# KiCad board Breadboard_power_supply.kicad_pcb (continued)
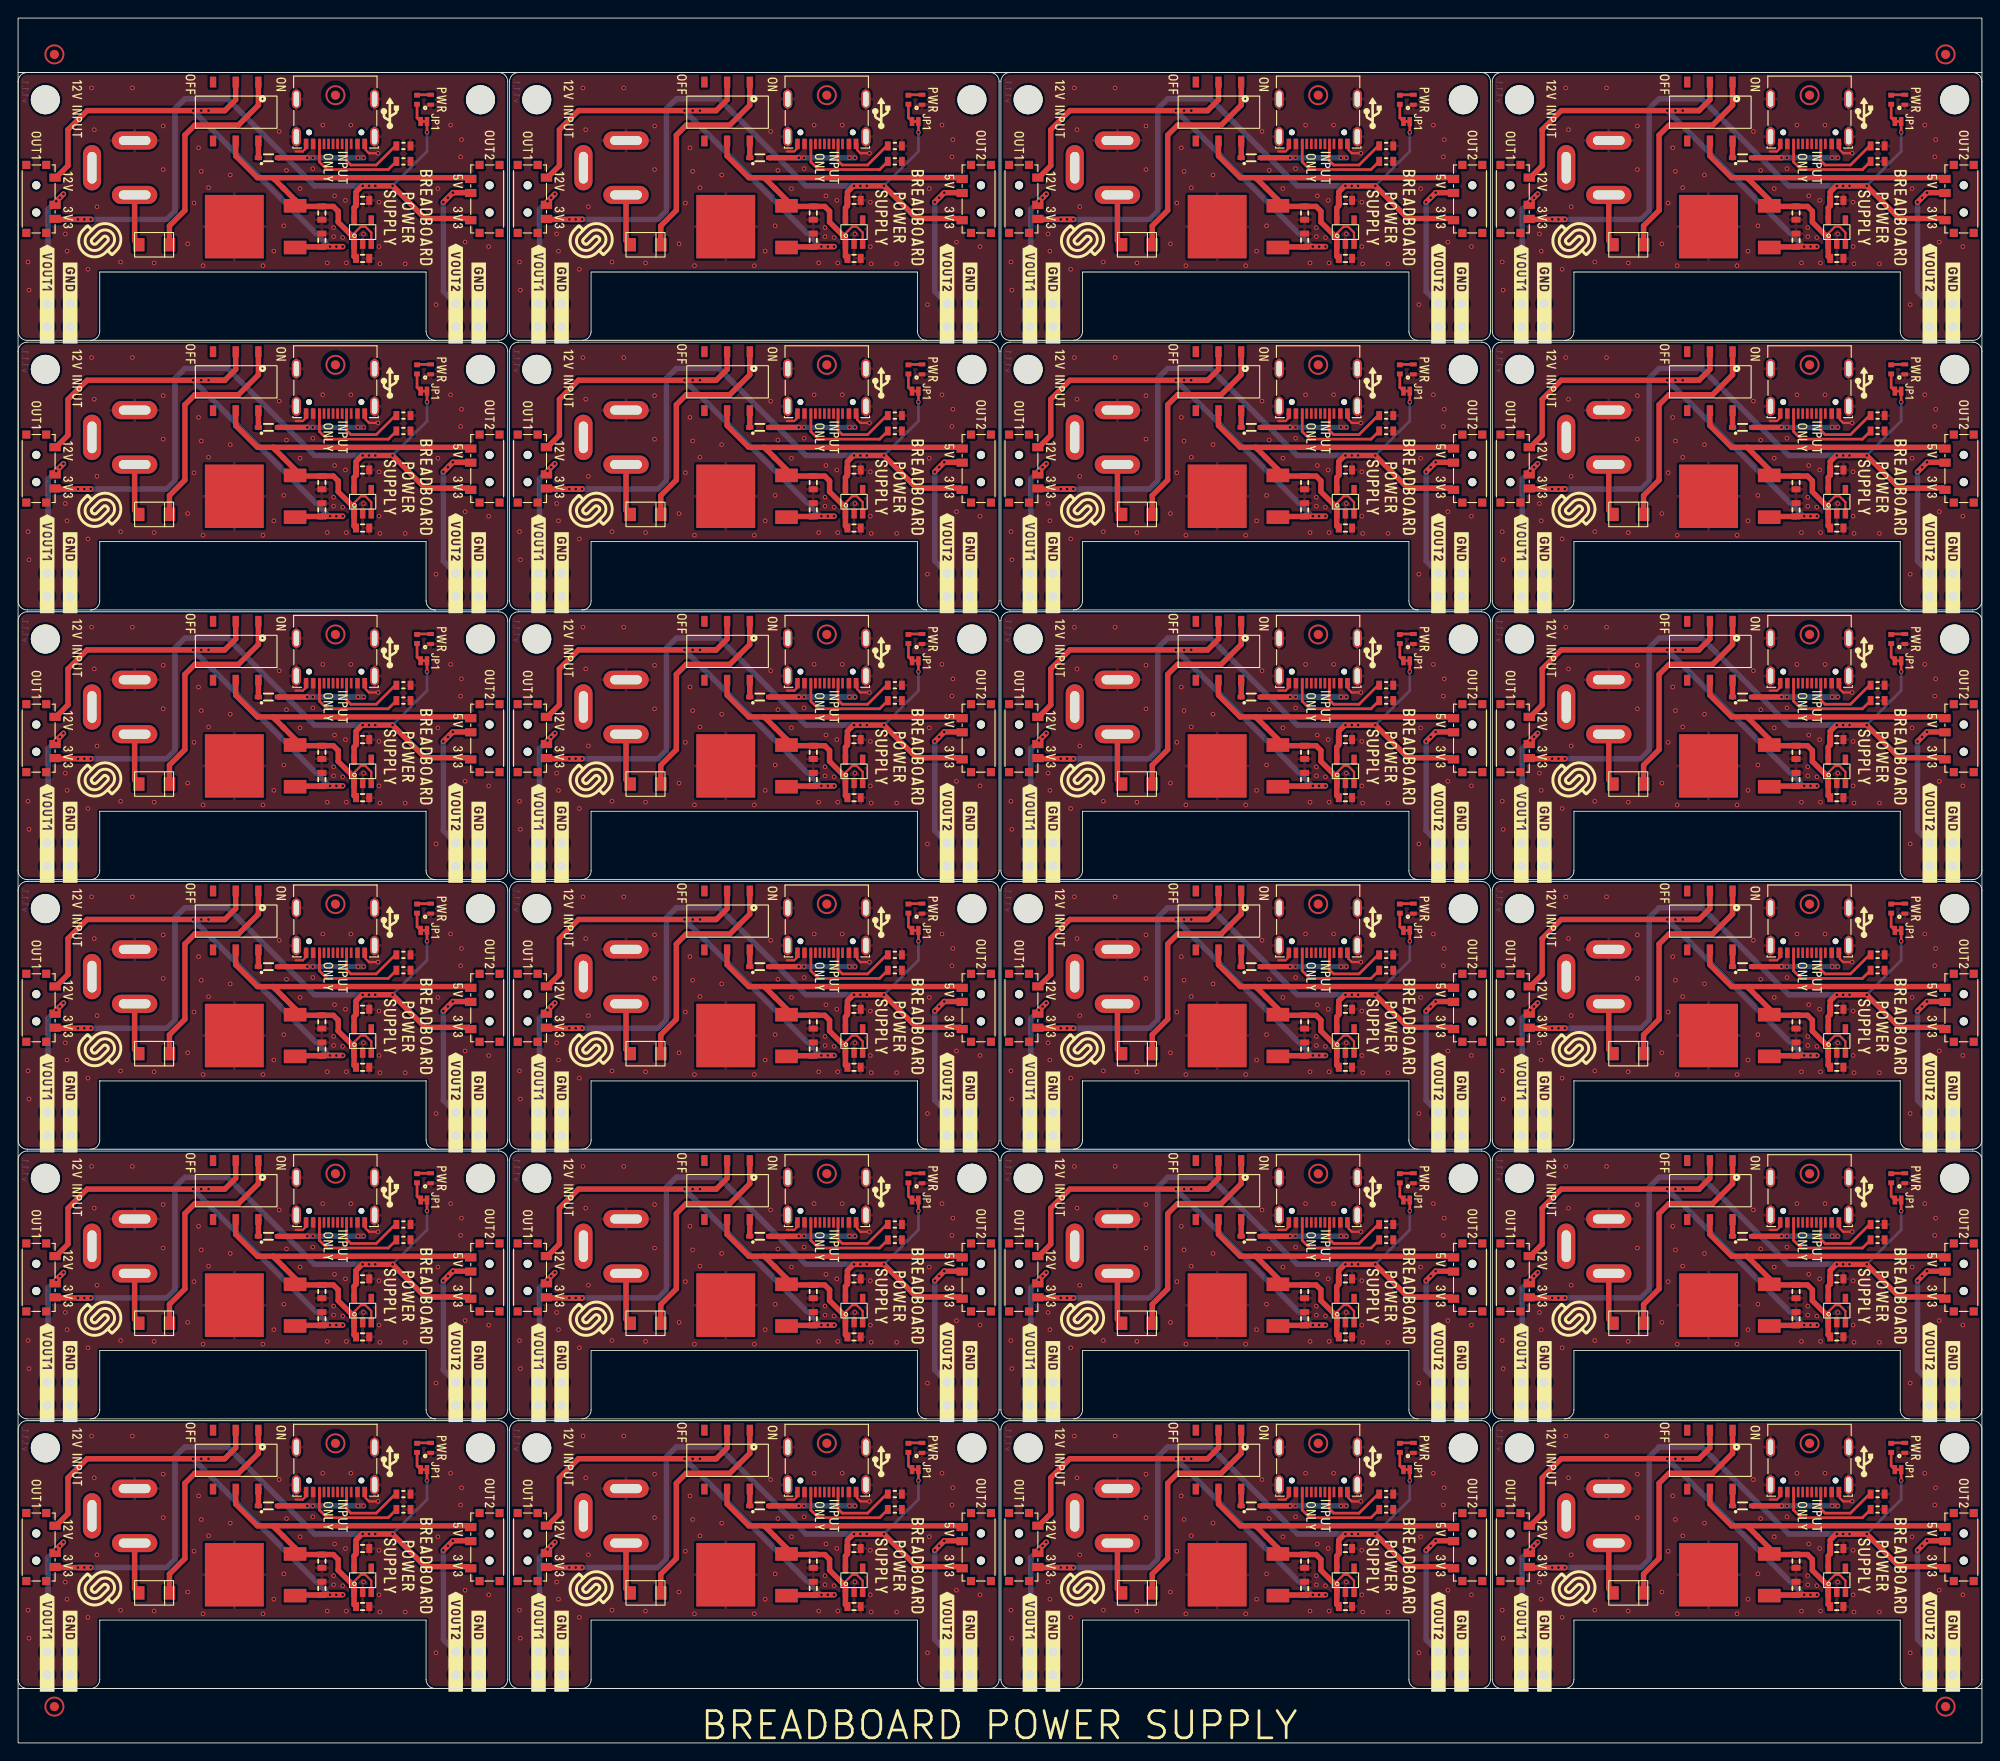
[diagram p0: board, top side]
## Placement (name value [footprint] x y rotation side) (continued)
R3#16  2k2  [0402R]  152.4 62.28 90 top
R3#17  2k2  [0402R]  206.6 32.54 90 top
R3#18  2k2  [0402R]  98.2 62.28 90 top
R3#19  2k2  [0402R]  152.4 32.54 90 top
R3#20  2k2  [0402R]  98.2 92.02 90 top
R3#21  2k2  [0402R]  44 62.28 90 top
R3#22  2k2  [0402R]  44 92.02 90 top
R3#23  2k2  [0402R]  206.6 62.28 90 top
R3#24  2k2  [0402R]  98.2 151.5 90 top
REF**  Logo-Front-SolderedFULL-20mm  [Logo-Back-SolderedFULL-20mm]  189.6 136.31 0 top
REF**#2  Logo-Front-SolderedFULL-20mm  [Logo-Back-SolderedFULL-20mm]  135.4 136.31 0 top
REF**#3  Logo-Front-SolderedFULL-20mm  [Logo-Back-SolderedFULL-20mm]  189.6 76.83 0 top
REF**#4  Logo-Front-SolderedFULL-20mm  [Logo-Back-SolderedFULL-20mm]  27 106.57 0 top
REF**#5  Logo-Front-SolderedFULL-20mm  [Logo-Back-SolderedFULL-20mm]  27 136.31 0 top
REF**#6  Logo-Front-SolderedFULL-20mm  [Logo-Back-SolderedFULL-20mm]  81.2 17.35 0 top
REF**#7  Logo-Front-SolderedFULL-20mm  [Logo-Back-SolderedFULL-20mm]  189.6 47.09 0 top
REF**#8  Logo-Front-SolderedFULL-20mm  [Logo-Back-SolderedFULL-20mm]  27 47.09 0 top
REF**#9  Logo-Front-SolderedFULL-20mm  [Logo-Back-SolderedFULL-20mm]  135.4 76.83 0 top
REF**#10  Logo-Front-SolderedFULL-20mm  [Logo-Back-SolderedFULL-20mm]  27 166.05 0 top
REF**#11  Logo-Front-SolderedFULL-20mm  [Logo-Back-SolderedFULL-20mm]  135.4 106.57 0 top
REF**#12  Logo-Front-SolderedFULL-20mm  [Logo-Back-SolderedFULL-20mm]  81.2 106.57 0 top
REF**#13  Logo-Front-SolderedFULL-20mm  [Logo-Back-SolderedFULL-20mm]  27 76.83 0 top
REF**#14  Logo-Front-SolderedFULL-20mm  [Logo-Back-SolderedFULL-20mm]  81.2 136.31 0 top
REF**#15  Logo-Front-SolderedFULL-20mm  [Logo-Back-SolderedFULL-20mm]  81.2 76.83 0 top
REF**#16  Logo-Front-SolderedFULL-20mm  [Logo-Back-SolderedFULL-20mm]  135.4 166.05 0 top
REF**#17  Logo-Front-SolderedFULL-20mm  [Logo-Back-SolderedFULL-20mm]  189.6 166.05 0 top
REF**#18  Logo-Front-SolderedFULL-20mm  [Logo-Back-SolderedFULL-20mm]  27 17.35 0 top
REF**#19  Logo-Front-SolderedFULL-20mm  [Logo-Back-SolderedFULL-20mm]  189.6 106.57 0 top
REF**#20  Logo-Front-SolderedFULL-20mm  [Logo-Back-SolderedFULL-20mm]  135.4 17.35 0 top
REF**#21  Logo-Front-SolderedFULL-20mm  [Logo-Back-SolderedFULL-20mm]  81.2 47.09 0 top
REF**#22  Logo-Front-SolderedFULL-20mm  [Logo-Back-SolderedFULL-20mm]  135.4 47.09 0 top
REF**#23  Logo-Front-SolderedFULL-20mm  [Logo-Back-SolderedFULL-20mm]  189.6 17.35 0 top
REF**#24  Logo-Front-SolderedFULL-20mm  [Logo-Back-SolderedFULL-20mm]  81.2 166.05 0 top
REF**#25  -  [Version1.1.1.]  109.2 63.28 90 bottom
REF**#26  -  [Version1.1.1.]  163.4 33.54 90 bottom
REF**#27  -  [Version1.1.1.]  55 152.5 90 bottom
REF**#28  -  [Version1.1.1.]  55 33.54 90 bottom
REF**#29  -  [Version1.1.1.]  109.2 182.24 90 bottom
REF**#30  -  [Version1.1.1.]  109.2 33.54 90 bottom
REF**#31  -  [Version1.1.1.]  163.4 93.02 90 bottom
REF**#32  -  [Version1.1.1.]  109.2 93.02 90 bottom
REF**#33  -  [Version1.1.1.]  163.4 152.5 90 bottom
REF**#34  -  [Version1.1.1.]  0.8 93.02 90 bottom
REF**#35  -  [Version1.1.1.]  109.2 152.5 90 bottom
REF**#36  -  [Version1.1.1.]  163.4 182.24 90 bottom
REF**#37  -  [Version1.1.1.]  109.2 122.76 90 bottom
REF**#38  -  [Version1.1.1.]  0.8 182.24 90 bottom
REF**#39  -  [Version1.1.1.]  55 122.76 90 bottom
REF**#40  -  [Version1.1.1.]  163.4 122.76 90 bottom
REF**#41  -  [Version1.1.1.]  55 63.28 90 bottom
REF**#42  -  [Version1.1.1.]  55 93.02 90 bottom
REF**#43  -  [Version1.1.1.]  0.8 122.76 90 bottom
REF**#44  -  [Version1.1.1.]  55 182.24 90 bottom
REF**#45  -  [Version1.1.1.]  163.4 63.28 90 bottom
REF**#46  -  [Version1.1.1.]  0.8 63.28 90 bottom
REF**#47  -  [Version1.1.1.]  0.8 33.54 90 bottom
REF**#48  -  [Version1.1.1.]  0.8 152.5 90 bottom
S1  -  [SK-3245S-L3-B]  186.6 90.72 270 top
S1#2  -  [SK-3245S-L3-B]  24 120.46 270 top
S1#3  -  [SK-3245S-L3-B]  78.2 179.94 270 top
S1#4  -  [SK-3245S-L3-B]  186.6 150.2 270 top
S1#5  -  [SK-3245S-L3-B]  24 150.2 270 top
S1#6  -  [SK-3245S-L3-B]  78.2 60.98 270 top
S1#7  -  [SK-3245S-L3-B]  132.4 120.46 270 top
S1#8  -  [SK-3245S-L3-B]  78.2 31.24 270 top
S1#9  -  [SK-3245S-L3-B]  78.2 90.72 270 top
S1#10  -  [SK-3245S-L3-B]  78.2 150.2 270 top
S1#11  -  [SK-3245S-L3-B]  24 179.94 270 top
S1#12  -  [SK-3245S-L3-B]  78.2 120.46 270 top
S1#13  -  [SK-3245S-L3-B]  186.6 179.94 270 top
S1#14  -  [SK-3245S-L3-B]  186.6 120.46 270 top
S1#15  -  [SK-3245S-L3-B]  186.6 60.98 270 top
S1#16  -  [SK-3245S-L3-B]  132.4 150.2 270 top
S1#17  -  [SK-3245S-L3-B]  186.6 31.24 270 top
S1#18  -  [SK-3245S-L3-B]  24 90.72 270 top
S1#19  -  [SK-3245S-L3-B]  24 31.24 270 top
S1#20  -  [SK-3245S-L3-B]  132.4 179.94 270 top
S1#21  -  [SK-3245S-L3-B]  132.4 60.98 270 top
S1#22  -  [SK-3245S-L3-B]  132.4 31.24 270 top
S1#23  -  [SK-3245S-L3-B]  24 60.98 270 top
S1#24  -  [SK-3245S-L3-B]  132.4 90.72 270 top
S2  -  [SS-3292S-L1]  2 51.34 270 top
S2#2  -  [SS-3292S-L1]  110.4 170.3 270 top
S2#3  -  [SS-3292S-L1]  110.4 51.34 270 top
S2#4  -  [SS-3292S-L1]  164.6 21.6 270 top
S2#5  -  [SS-3292S-L1]  2 21.6 270 top
S2#6  -  [SS-3292S-L1]  2 81.08 270 top
S2#7  -  [SS-3292S-L1]  164.6 140.56 270 top
S2#8  -  [SS-3292S-L1]  110.4 81.08 270 top
S2#9  -  [SS-3292S-L1]  56.2 110.82 270 top
S2#10  -  [SS-3292S-L1]  56.2 140.56 270 top
S2#11  -  [SS-3292S-L1]  110.4 110.82 270 top
S2#12  -  [SS-3292S-L1]  164.6 170.3 270 top
S2#13  -  [SS-3292S-L1]  56.2 21.6 270 top
S2#14  -  [SS-3292S-L1]  164.6 51.34 270 top
S2#15  -  [SS-3292S-L1]  56.2 170.3 270 top
S2#16  -  [SS-3292S-L1]  2 110.82 270 top
S2#17  -  [SS-3292S-L1]  56.2 51.34 270 top
S2#18  -  [SS-3292S-L1]  164.6 81.08 270 top
S2#19  -  [SS-3292S-L1]  56.2 81.08 270 top
S2#20  -  [SS-3292S-L1]  2 140.56 270 top
S2#21  -  [SS-3292S-L1]  2 170.3 270 top
S2#22  -  [SS-3292S-L1]  110.4 21.6 270 top
S2#23  -  [SS-3292S-L1]  110.4 140.56 270 top
S2#24  -  [SS-3292S-L1]  164.6 110.82 270 top
S3  -  [SS-3292S-L1]  214.6 140.56 90 top
S3#2  -  [SS-3292S-L1]  160.4 81.08 90 top
S3#3  -  [SS-3292S-L1]  160.4 51.34 90 top
S3#4  -  [SS-3292S-L1]  106.2 170.3 90 top
S3#5  -  [SS-3292S-L1]  160.4 170.3 90 top
S3#6  -  [SS-3292S-L1]  52 21.6 90 top
S3#7  -  [SS-3292S-L1]  214.6 81.08 90 top
S3#8  -  [SS-3292S-L1]  160.4 140.56 90 top
S3#9  -  [SS-3292S-L1]  52 51.34 90 top
S3#10  -  [SS-3292S-L1]  160.4 110.82 90 top
S3#11  -  [SS-3292S-L1]  160.4 21.6 90 top
S3#12  -  [SS-3292S-L1]  214.6 110.82 90 top
S3#13  -  [SS-3292S-L1]  52 170.3 90 top
S3#14  -  [SS-3292S-L1]  214.6 51.34 90 top
S3#15  -  [SS-3292S-L1]  214.6 170.3 90 top
S3#16  -  [SS-3292S-L1]  52 110.82 90 top
S3#17  -  [SS-3292S-L1]  214.6 21.6 90 top
S3#18  -  [SS-3292S-L1]  106.2 51.34 90 top
S3#19  -  [SS-3292S-L1]  106.2 110.82 90 top
S3#20  -  [SS-3292S-L1]  52 81.08 90 top
S3#21  -  [SS-3292S-L1]  106.2 81.08 90 top
S3#22  -  [SS-3292S-L1]  106.2 140.56 90 top
S3#23  -  [SS-3292S-L1]  106.2 21.6 90 top
S3#24  -  [SS-3292S-L1]  52 140.56 90 top
U1  7805  [AS7805ADTR]  77.9 18.54 90 top
U1#2  7805  [AS7805ADTR]  77.9 167.24 90 top
U1#3  7805  [AS7805ADTR]  132.1 78.02 90 top
U1#4  7805  [AS7805ADTR]  132.1 107.76 90 top
U1#5  7805  [AS7805ADTR]  77.9 78.02 90 top
U1#6  7805  [AS7805ADTR]  23.7 137.5 90 top
U1#7  7805  [AS7805ADTR]  132.1 48.28 90 top
U1#8  7805  [AS7805ADTR]  132.1 167.24 90 top
U1#9  7805  [AS7805ADTR]  186.3 48.28 90 top
U1#10  7805  [AS7805ADTR]  186.3 18.54 90 top
U1#11  7805  [AS7805ADTR]  186.3 78.02 90 top
U1#12  7805  [AS7805ADTR]  77.9 48.28 90 top
U1#13  7805  [AS7805ADTR]  23.7 18.54 90 top
U1#14  7805  [AS7805ADTR]  132.1 18.54 90 top
U1#15  7805  [AS7805ADTR]  77.9 137.5 90 top
U1#16  7805  [AS7805ADTR]  186.3 137.5 90 top
U1#17  7805  [AS7805ADTR]  23.7 48.28 90 top
U1#18  7805  [AS7805ADTR]  23.7 167.24 90 top
U1#19  7805  [AS7805ADTR]  132.1 137.5 90 top
U1#20  7805  [AS7805ADTR]  77.9 107.76 90 top
U1#21  7805  [AS7805ADTR]  23.7 107.76 90 top
U1#22  7805  [AS7805ADTR]  186.3 107.76 90 top
U1#23  7805  [AS7805ADTR]  23.7 78.02 90 top
U1#24  7805  [AS7805ADTR]  186.3 167.24 90 top
U2  SE5218  [SOT-23-5]  146.4 136.9 90 top
U2#2  SE5218  [SOT-23-5]  92.2 166.64 90 top
U2#3  SE5218  [SOT-23-5]  146.4 77.42 90 top
U2#4  SE5218  [SOT-23-5]  146.4 166.64 90 top
U2#5  SE5218  [SOT-23-5]  146.4 107.16 90 top
U2#6  SE5218  [SOT-23-5]  92.2 47.68 90 top
U2#7  SE5218  [SOT-23-5]  200.6 77.42 90 top
U2#8  SE5218  [SOT-23-5]  38 136.9 90 top
U2#9  SE5218  [SOT-23-5]  92.2 136.9 90 top
U2#10  SE5218  [SOT-23-5]  92.2 77.42 90 top
U2#11  SE5218  [SOT-23-5]  200.6 166.64 90 top
U2#12  SE5218  [SOT-23-5]  38 166.64 90 top
U2#13  SE5218  [SOT-23-5]  38 77.42 90 top
U2#14  SE5218  [SOT-23-5]  92.2 107.16 90 top
U2#15  SE5218  [SOT-23-5]  200.6 136.9 90 top
U2#16  SE5218  [SOT-23-5]  92.2 17.94 90 top
U2#17  SE5218  [SOT-23-5]  38 17.94 90 top
U2#18  SE5218  [SOT-23-5]  38 107.16 90 top
U2#19  SE5218  [SOT-23-5]  38 47.68 90 top
U2#20  SE5218  [SOT-23-5]  146.4 17.94 90 top
U2#21  SE5218  [SOT-23-5]  200.6 107.16 90 top
U2#22  SE5218  [SOT-23-5]  146.4 47.68 90 top
U2#23  SE5218  [SOT-23-5]  200.6 17.94 90 top
U2#24  SE5218  [SOT-23-5]  200.6 47.68 90 top

## Footprints (pads in the part's own frame, mm; a bottom-side part is the same pattern mirrored in y, then rotated)
0402LED
  rect 0.45x0.75 smd: 1(-0.55,0) 2(0.55,0)
0402R
  rect 0.54x0.64 smd: 1(-0.5,0) 2(0.5,0)
0603C
  rect 0.66x1 smd: 1(-0.73,0) 2(0.73,0)
0603R
  rect 0.64x1 smd: 1(-0.775,0) 2(0.775,0)
AS7805ADTR
  rect 1.5x2.5 smd: 1(-2.3,-6.85) 2(2.3,-6.85)
  rect 7x6.5 smd: 3(0,-0.15)
DC_JACK
  oval 2x5 hole 1x3.5: 1(-3,-2.35) 2(3,-2.35)
  oval 5x2 hole 3.5x1: 3(0,2.35)
FIDUCIAL_23
  round 1 smd: 1(0,0)
HEADER_MALE_2X1
  round 1.524 hole 1: 1(-1.27,0) 2(1.27,0)
HOLE_3.2mm
  round 3.2 hole 3.2 unplated: (0,0)
M4_DIODA
  rect 1.27x1.47 smd: 1(-1.69,0) 2(1.69,0)
SK-3245S-L3-B
  rect 1.2x0.7 smd: 1(-3.25,2.5) 2(-3.25,0) 3(-3.25,-2.5) 4(3.25,2.5) 5(3.25,0) 6(3.25,-2.5)
SMD-JUMPER-CONNECTED_TRACE_SLODERMASK
  rect 0.5x1 smd: 1(-0.35,0) 2(0.35,0)
SOD-323
  rect 0.8x0.5 smd: 1(-1.1,0) 2(1.1,0)
SOT-23-5
  rect 1.1x0.6 smd: 1(-1.3,0.95) 2(-1.3,0) 3(-1.3,-0.95) 4(1.3,-0.95) 5(1.3,0.95)
SS-3292S-L1
  rect 0.9x0.9 smd: (-3.75,1.1) (-3.75,-1.1) (3.75,1.1) (3.75,-1.1)
  round 0.9 hole 0.9 unplated: (-1.5,0) (1.5,0)
  rect 0.9x1.25 smd: 1(-2.35,2.075) 2(0.65,2.075) 3(2.2,2.075)
U262-161N-4BVC11
  round 0.65 hole 0.65 unplated: (-2.862,1.2) (2.913,1.2)
  rect 0.3x1.15 smd: A1(-3.337,2.475) A4(-2.537,2.475) A5(-1.237,2.475) A6(-0.237,2.475) A7(0.263,2.475) A8(1.263,2.475) A9(2.563,2.475) A12(3.338,2.475) B1(3.138,2.475) B4(2.363,2.475) B5(1.763,2.475) B6(0.763,2.475) B7(-0.737,2.475) B8(-1.737,2.475) B9(-2.337,2.475) B12(-3.112,2.475)
  oval 1x2.1 hole 0.6x1.7: SH(-4.312,1.675) SH(-4.312,-2.475) SH(4.313,1.675) SH(4.313,-2.475)

## Nets
3V3: C4.2 C4#2.2 C4#3.2 C4#4.2 C4#5.2 C4#6.2 C4#7.2 C4#8.2 C4#9.2 C4#10.2 C4#11.2 C4#12.2 C4#13.2 C4#14.2 C4#15.2 C4#16.2 C4#17.2 C4#18.2 C4#19.2 C4#20.2 C4#21.2 C4#22.2 C4#23.2 C4#24.2 JP1.1 JP1#2.1 JP1#3.1 JP1#4.1 JP1#5.1 JP1#6.1 JP1#7.1 JP1#8.1 JP1#9.1 JP1#10.1 JP1#11.1 JP1#12.1 JP1#13.1 JP1#14.1 JP1#15.1 JP1#16.1 JP1#17.1 JP1#18.1 JP1#19.1 JP1#20.1 JP1#21.1 JP1#22.1 JP1#23.1 JP1#24.1 S2.3 S2#2.3 S2#3.3 S2#4.3 S2#5.3 S2#6.3 S2#7.3 S2#8.3 S2#9.3 S2#10.3 S2#11.3 S2#12.3 S2#13.3 S2#14.3 S2#15.3 S2#16.3 S2#17.3 S2#18.3 S2#19.3 S2#20.3 S2#21.3 S2#22.3 S2#23.3 S2#24.3 S3.1 S3#2.1 S3#3.1 S3#4.1 S3#5.1 S3#6.1 S3#7.1 S3#8.1 S3#9.1 S3#10.1 S3#11.1 S3#12.1 S3#13.1 S3#14.1 S3#15.1 S3#16.1 S3#17.1 S3#18.1 S3#19.1 S3#20.1 S3#21.1 S3#22.1 S3#23.1 S3#24.1 U2.5 U2#2.5 U2#3.5 U2#4.5 U2#5.5 U2#6.5 U2#7.5 U2#8.5 U2#9.5 U2#10.5 U2#11.5 U2#12.5 U2#13.5 U2#14.5 U2#15.5 U2#16.5 U2#17.5 U2#18.5 U2#19.5 U2#20.5 U2#21.5 U2#22.5 U2#23.5 U2#24.5
5V: C1.2 C1#2.2 C1#3.2 C1#4.2 C1#5.2 C1#6.2 C1#7.2 C1#8.2 C1#9.2 C1#10.2 C1#11.2 C1#12.2 C1#13.2 C1#14.2 C1#15.2 C1#16.2 C1#17.2 C1#18.2 C1#19.2 C1#20.2 C1#21.2 C1#22.2 C1#23.2 C1#24.2 C3.2 C3#2.2 C3#3.2 C3#4.2 C3#5.2 C3#6.2 C3#7.2 C3#8.2 C3#9.2 C3#10.2 C3#11.2 C3#12.2 C3#13.2 C3#14.2 C3#15.2 C3#16.2 C3#17.2 C3#18.2 C3#19.2 C3#20.2 C3#21.2 C3#22.2 C3#23.2 C3#24.2 S1.5 S1#2.5 S1#3.5 S1#4.5 S1#5.5 S1#6.5 S1#7.5 S1#8.5 S1#9.5 S1#10.5 S1#11.5 S1#12.5 S1#13.5 S1#14.5 S1#15.5 S1#16.5 S1#17.5 S1#18.5 S1#19.5 S1#20.5 S1#21.5 S1#22.5 S1#23.5 S1#24.5 S3.3 S3#2.3 S3#3.3 S3#4.3 S3#5.3 S3#6.3 S3#7.3 S3#8.3 S3#9.3 S3#10.3 S3#11.3 S3#12.3 S3#13.3 S3#14.3 S3#15.3 S3#16.3 S3#17.3 S3#18.3 S3#19.3 S3#20.3 S3#21.3 S3#22.3 S3#23.3 S3#24.3 U1.2 U1#2.2 U1#3.2 U1#4.2 U1#5.2 U1#6.2 U1#7.2 U1#8.2 U1#9.2 U1#10.2 U1#11.2 U1#12.2 U1#13.2 U1#14.2 U1#15.2 U1#16.2 U1#17.2 U1#18.2 U1#19.2 U1#20.2 U1#21.2 U1#22.2 U1#23.2 U1#24.2 U2.1 U2.3 U2#2.1 U2#2.3 U2#3.1 U2#3.3 U2#4.1 U2#4.3 U2#5.1 U2#5.3 U2#6.1 U2#6.3 U2#7.1 U2#7.3 U2#8.1 U2#8.3 U2#9.1 U2#9.3 U2#10.1 U2#10.3 U2#11.1 U2#11.3 U2#12.1 U2#12.3 U2#13.1 U2#13.3 U2#14.1 U2#14.3 U2#15.1 U2#15.3 U2#16.1 U2#16.3 U2#17.1 U2#17.3 U2#18.1 U2#18.3 U2#19.1 U2#19.3 U2#20.1 U2#20.3 U2#21.1 U2#21.3 U2#22.1 U2#22.3 U2#23.1 U2#23.3 U2#24.1 U2#24.3
12V: C2.2 C2#2.2 C2#3.2 C2#4.2 C2#5.2 C2#6.2 C2#7.2 C2#8.2 C2#9.2 C2#10.2 C2#11.2 C2#12.2 C2#13.2 C2#14.2 C2#15.2 C2#16.2 C2#17.2 C2#18.2 C2#19.2 C2#20.2 C2#21.2 C2#22.2 C2#23.2 C2#24.2 S1.2 S1#2.2 S1#3.2 S1#4.2 S1#5.2 S1#6.2 S1#7.2 S1#8.2 S1#9.2 S1#10.2 S1#11.2 S1#12.2 S1#13.2 S1#14.2 S1#15.2 S1#16.2 S1#17.2 S1#18.2 S1#19.2 S1#20.2 S1#21.2 S1#22.2 S1#23.2 S1#24.2 S2.1 S2#2.1 S2#3.1 S2#4.1 S2#5.1 S2#6.1 S2#7.1 S2#8.1 S2#9.1 S2#10.1 S2#11.1 S2#12.1 S2#13.1 S2#14.1 S2#15.1 S2#16.1 S2#17.1 S2#18.1 S2#19.1 S2#20.1 S2#21.1 S2#22.1 S2#23.1 S2#24.1 U1.1 U1#2.1 U1#3.1 U1#4.1 U1#5.1 U1#6.1 U1#7.1 U1#8.1 U1#9.1 U1#10.1 U1#11.1 U1#12.1 U1#13.1 U1#14.1 U1#15.1 U1#16.1 U1#17.1 U1#18.1 U1#19.1 U1#20.1 U1#21.1 U1#22.1 U1#23.1 U1#24.1
GND: C1.1 C1#2.1 C1#3.1 C1#4.1 C1#5.1 C1#6.1 C1#7.1 C1#8.1 C1#9.1 C1#10.1 C1#11.1 C1#12.1 C1#13.1 C1#14.1 C1#15.1 C1#16.1 C1#17.1 C1#18.1 C1#19.1 C1#20.1 C1#21.1 C1#22.1 C1#23.1 C1#24.1 C2.1 C2#2.1 C2#3.1 C2#4.1 C2#5.1 C2#6.1 C2#7.1 C2#8.1 C2#9.1 C2#10.1 C2#11.1 C2#12.1 C2#13.1 C2#14.1 C2#15.1 C2#16.1 C2#17.1 C2#18.1 C2#19.1 C2#20.1 C2#21.1 C2#22.1 C2#23.1 C2#24.1 C3.1 C3#2.1 C3#3.1 C3#4.1 C3#5.1 C3#6.1 C3#7.1 C3#8.1 C3#9.1 C3#10.1 C3#11.1 C3#12.1 C3#13.1 C3#14.1 C3#15.1 C3#16.1 C3#17.1 C3#18.1 C3#19.1 C3#20.1 C3#21.1 C3#22.1 C3#23.1 C3#24.1 C4.1 C4#2.1 C4#3.1 C4#4.1 C4#5.1 C4#6.1 C4#7.1 C4#8.1 C4#9.1 C4#10.1 C4#11.1 C4#12.1 C4#13.1 C4#14.1 C4#15.1 C4#16.1 C4#17.1 C4#18.1 C4#19.1 C4#20.1 C4#21.1 C4#22.1 C4#23.1 C4#24.1 D3.2 D3#2.2 D3#3.2 D3#4.2 D3#5.2 D3#6.2 D3#7.2 D3#8.2 D3#9.2 D3#10.2 D3#11.2 D3#12.2 D3#13.2 D3#14.2 D3#15.2 D3#16.2 D3#17.2 D3#18.2 D3#19.2 D3#20.2 D3#21.2 D3#22.2 D3#23.2 D3#24.2 K1.A1 K1.A12 K1.B1 K1.B12 K1.SH K1#2.A1 K1#2.A12 K1#2.B1 K1#2.B12 K1#2.SH K1#3.A1 K1#3.A12 K1#3.B1 K1#3.B12 K1#3.SH K1#4.A1 K1#4.A12 K1#4.B1 K1#4.B12 K1#4.SH K1#5.A1 K1#5.A12 K1#5.B1 K1#5.B12 K1#5.SH K1#6.A1 K1#6.A12 K1#6.B1 K1#6.B12 K1#6.SH K1#7.A1 K1#7.A12 K1#7.B1 K1#7.B12 K1#7.SH K1#8.A1 K1#8.A12 K1#8.B1 K1#8.B12 K1#8.SH K1#9.A1 K1#9.A12 K1#9.B1 K1#9.B12 K1#9.SH K1#10.A1 K1#10.A12 K1#10.B1 K1#10.B12 K1#10.SH K1#11.A1 K1#11.A12 K1#11.B1 K1#11.B12 K1#11.SH K1#12.A1 K1#12.A12 K1#12.B1 K1#12.B12 K1#12.SH K1#13.A1 K1#13.A12 K1#13.B1 K1#13.B12 K1#13.SH K1#14.A1 K1#14.A12 K1#14.B1 K1#14.B12 K1#14.SH K1#15.A1 K1#15.A12 K1#15.B1 K1#15.B12 K1#15.SH K1#16.A1 K1#16.A12 K1#16.B1 K1#16.B12 K1#16.SH K1#17.A1 K1#17.A12 K1#17.B1 K1#17.B12 K1#17.SH K1#18.A1 K1#18.A12 K1#18.B1 K1#18.B12 K1#18.SH K1#19.A1 K1#19.A12 K1#19.B1 K1#19.B12 K1#19.SH K1#20.A1 K1#20.A12 K1#20.B1 K1#20.B12 K1#20.SH K1#21.A1 K1#21.A12 K1#21.B1 K1#21.B12 K1#21.SH K1#22.A1 K1#22.A12 K1#22.B1 K1#22.B12 K1#22.SH K1#23.A1 K1#23.A12 K1#23.B1 K1#23.B12 K1#23.SH K1#24.A1 K1#24.A12 K1#24.B1 K1#24.B12 K1#24.SH K2.2 K2#2.2 K2#3.2 K2#4.2 K2#5.2 K2#6.2 K2#7.2 K2#8.2 K2#9.2 K2#10.2 K2#11.2 K2#12.2 K2#13.2 K2#14.2 K2#15.2 K2#16.2 K2#17.2 K2#18.2 K2#19.2 K2#20.2 K2#21.2 K2#22.2 K2#23.2 K2#24.2 K3.1 K3#2.1 K3#3.1 K3#4.1 K3#5.1 K3#6.1 K3#7.1 K3#8.1 K3#9.1 K3#10.1 K3#11.1 K3#12.1 K3#13.1 K3#14.1 K3#15.1 K3#16.1 K3#17.1 K3#18.1 K3#19.1 K3#20.1 K3#21.1 K3#22.1 K3#23.1 K3#24.1 K4.1 K4#2.1 K4#3.1 K4#4.1 K4#5.1 K4#6.1 K4#7.1 K4#8.1 K4#9.1 K4#10.1 K4#11.1 K4#12.1 K4#13.1 K4#14.1 K4#15.1 K4#16.1 K4#17.1 K4#18.1 K4#19.1 K4#20.1 K4#21.1 K4#22.1 K4#23.1 K4#24.1 K5.1 K5#2.1 K5#3.1 K5#4.1 K5#5.1 K5#6.1 K5#7.1 K5#8.1 K5#9.1 K5#10.1 K5#11.1 K5#12.1 K5#13.1 K5#14.1 K5#15.1 K5#16.1 K5#17.1 K5#18.1 K5#19.1 K5#20.1 K5#21.1 K5#22.1 K5#23.1 K5#24.1 K6.1 K6#2.1 K6#3.1 K6#4.1 K6#5.1 K6#6.1 K6#7.1 K6#8.1 K6#9.1 K6#10.1 K6#11.1 K6#12.1 K6#13.1 K6#14.1 K6#15.1 K6#16.1 K6#17.1 K6#18.1 K6#19.1 K6#20.1 K6#21.1 K6#22.1 K6#23.1 K6#24.1 R1.2 R1#2.2 R1#3.2 R1#4.2 R1#5.2 R1#6.2 R1#7.2 R1#8.2 R1#9.2 R1#10.2 R1#11.2 R1#12.2 R1#13.2 R1#14.2 R1#15.2 R1#16.2 R1#17.2 R1#18.2 R1#19.2 R1#20.2 R1#21.2 R1#22.2 R1#23.2 R1#24.2 R2.2 R2#2.2 R2#3.2 R2#4.2 R2#5.2 R2#6.2 R2#7.2 R2#8.2 R2#9.2 R2#10.2 R2#11.2 R2#12.2 R2#13.2 R2#14.2 R2#15.2 R2#16.2 R2#17.2 R2#18.2 R2#19.2 R2#20.2 R2#21.2 R2#22.2 R2#23.2 R2#24.2 U1.3 U1#2.3 U1#3.3 U1#4.3 U1#5.3 U1#6.3 U1#7.3 U1#8.3 U1#9.3 U1#10.3 U1#11.3 U1#12.3 U1#13.3 U1#14.3 U1#15.3 U1#16.3 U1#17.3 U1#18.3 U1#19.3 U1#20.3 U1#21.3 U1#22.3 U1#23.3 U1#24.3 U2.2 U2#2.2 U2#3.2 U2#4.2 U2#5.2 U2#6.2 U2#7.2 U2#8.2 U2#9.2 U2#10.2 U2#11.2 U2#12.2 U2#13.2 U2#14.2 U2#15.2 U2#16.2 U2#17.2 U2#18.2 U2#19.2 U2#20.2 U2#21.2 U2#22.2 U2#23.2 U2#24.2
VIN: D2.2 D2#2.2 D2#3.2 D2#4.2 D2#5.2 D2#6.2 D2#7.2 D2#8.2 D2#9.2 D2#10.2 D2#11.2 D2#12.2 D2#13.2 D2#14.2 D2#15.2 D2#16.2 D2#17.2 D2#18.2 D2#19.2 D2#20.2 D2#21.2 D2#22.2 D2#23.2 D2#24.2 S1.1 S1#2.1 S1#3.1 S1#4.1 S1#5.1 S1#6.1 S1#7.1 S1#8.1 S1#9.1 S1#10.1 S1#11.1 S1#12.1 S1#13.1 S1#14.1 S1#15.1 S1#16.1 S1#17.1 S1#18.1 S1#19.1 S1#20.1 S1#21.1 S1#22.1 S1#23.1 S1#24.1
VUSB: D1.2 D1#2.2 D1#3.2 D1#4.2 D1#5.2 D1#6.2 D1#7.2 D1#8.2 D1#9.2 D1#10.2 D1#11.2 D1#12.2 D1#13.2 D1#14.2 D1#15.2 D1#16.2 D1#17.2 D1#18.2 D1#19.2 D1#20.2 D1#21.2 D1#22.2 D1#23.2 D1#24.2 S1.4 S1#2.4 S1#3.4 S1#4.4 S1#5.4 S1#6.4 S1#7.4 S1#8.4 S1#9.4 S1#10.4 S1#11.4 S1#12.4 S1#13.4 S1#14.4 S1#15.4 S1#16.4 S1#17.4 S1#18.4 S1#19.4 S1#20.4 S1#21.4 S1#22.4 S1#23.4 S1#24.4
Net-(D1-Pad1): D1.1 D1#2.1 D1#3.1 D1#4.1 D1#5.1 D1#6.1 D1#7.1 D1#8.1 D1#9.1 D1#10.1 D1#11.1 D1#12.1 D1#13.1 D1#14.1 D1#15.1 D1#16.1 D1#17.1 D1#18.1 D1#19.1 D1#20.1 D1#21.1 D1#22.1 D1#23.1 D1#24.1 K1.A4 K1.A9 K1.B4 K1.B9 K1#2.A4 K1#2.A9 K1#2.B4 K1#2.B9 K1#3.A4 K1#3.A9 K1#3.B4 K1#3.B9 K1#4.A4 K1#4.A9 K1#4.B4 K1#4.B9 K1#5.A4 K1#5.A9 K1#5.B4 K1#5.B9 K1#6.A4 K1#6.A9 K1#6.B4 K1#6.B9 K1#7.A4 K1#7.A9 K1#7.B4 K1#7.B9 K1#8.A4 K1#8.A9 K1#8.B4 K1#8.B9 K1#9.A4 K1#9.A9 K1#9.B4 K1#9.B9 K1#10.A4 K1#10.A9 K1#10.B4 K1#10.B9 K1#11.A4 K1#11.A9 K1#11.B4 K1#11.B9 K1#12.A4 K1#12.A9 K1#12.B4 K1#12.B9 K1#13.A4 K1#13.A9 K1#13.B4 K1#13.B9 K1#14.A4 K1#14.A9 K1#14.B4 K1#14.B9 K1#15.A4 K1#15.A9 K1#15.B4 K1#15.B9 K1#16.A4 K1#16.A9 K1#16.B4 K1#16.B9 K1#17.A4 K1#17.A9 K1#17.B4 K1#17.B9 K1#18.A4 K1#18.A9 K1#18.B4 K1#18.B9 K1#19.A4 K1#19.A9 K1#19.B4 K1#19.B9 K1#20.A4 K1#20.A9 K1#20.B4 K1#20.B9 K1#21.A4 K1#21.A9 K1#21.B4 K1#21.B9 K1#22.A4 K1#22.A9 K1#22.B4 K1#22.B9 K1#23.A4 K1#23.A9 K1#23.B4 K1#23.B9 K1#24.A4 K1#24.A9 K1#24.B4 K1#24.B9
Net-(D2-Pad1): D2.1 D2#2.1 D2#3.1 D2#4.1 D2#5.1 D2#6.1 D2#7.1 D2#8.1 D2#9.1 D2#10.1 D2#11.1 D2#12.1 D2#13.1 D2#14.1 D2#15.1 D2#16.1 D2#17.1 D2#18.1 D2#19.1 D2#20.1 D2#21.1 D2#22.1 D2#23.1 D2#24.1 K2.1 K2#2.1 K2#3.1 K2#4.1 K2#5.1 K2#6.1 K2#7.1 K2#8.1 K2#9.1 K2#10.1 K2#11.1 K2#12.1 K2#13.1 K2#14.1 K2#15.1 K2#16.1 K2#17.1 K2#18.1 K2#19.1 K2#20.1 K2#21.1 K2#22.1 K2#23.1 K2#24.1
Net-(D3-Pad1): D3.1 D3#2.1 D3#3.1 D3#4.1 D3#5.1 D3#6.1 D3#7.1 D3#8.1 D3#9.1 D3#10.1 D3#11.1 D3#12.1 D3#13.1 D3#14.1 D3#15.1 D3#16.1 D3#17.1 D3#18.1 D3#19.1 D3#20.1 D3#21.1 D3#22.1 D3#23.1 D3#24.1 R3.2 R3#2.2 R3#3.2 R3#4.2 R3#5.2 R3#6.2 R3#7.2 R3#8.2 R3#9.2 R3#10.2 R3#11.2 R3#12.2 R3#13.2 R3#14.2 R3#15.2 R3#16.2 R3#17.2 R3#18.2 R3#19.2 R3#20.2 R3#21.2 R3#22.2 R3#23.2 R3#24.2
Net-(JP1-Pad2): JP1.2 JP1#2.2 JP1#3.2 JP1#4.2 JP1#5.2 JP1#6.2 JP1#7.2 JP1#8.2 JP1#9.2 JP1#10.2 JP1#11.2 JP1#12.2 JP1#13.2 JP1#14.2 JP1#15.2 JP1#16.2 JP1#17.2 JP1#18.2 JP1#19.2 JP1#20.2 JP1#21.2 JP1#22.2 JP1#23.2 JP1#24.2 R3.1 R3#2.1 R3#3.1 R3#4.1 R3#5.1 R3#6.1 R3#7.1 R3#8.1 R3#9.1 R3#10.1 R3#11.1 R3#12.1 R3#13.1 R3#14.1 R3#15.1 R3#16.1 R3#17.1 R3#18.1 R3#19.1 R3#20.1 R3#21.1 R3#22.1 R3#23.1 R3#24.1
Net-(K1-PadA5): K1.A5 K1#2.A5 K1#3.A5 K1#4.A5 K1#5.A5 K1#6.A5 K1#7.A5 K1#8.A5 K1#9.A5 K1#10.A5 K1#11.A5 K1#12.A5 K1#13.A5 K1#14.A5 K1#15.A5 K1#16.A5 K1#17.A5 K1#18.A5 K1#19.A5 K1#20.A5 K1#21.A5 K1#22.A5 K1#23.A5 K1#24.A5 R2.1 R2#2.1 R2#3.1 R2#4.1 R2#5.1 R2#6.1 R2#7.1 R2#8.1 R2#9.1 R2#10.1 R2#11.1 R2#12.1 R2#13.1 R2#14.1 R2#15.1 R2#16.1 R2#17.1 R2#18.1 R2#19.1 R2#20.1 R2#21.1 R2#22.1 R2#23.1 R2#24.1
Net-(K1-PadB5): K1.B5 K1#2.B5 K1#3.B5 K1#4.B5 K1#5.B5 K1#6.B5 K1#7.B5 K1#8.B5 K1#9.B5 K1#10.B5 K1#11.B5 K1#12.B5 K1#13.B5 K1#14.B5 K1#15.B5 K1#16.B5 K1#17.B5 K1#18.B5 K1#19.B5 K1#20.B5 K1#21.B5 K1#22.B5 K1#23.B5 K1#24.B5 R1.1 R1#2.1 R1#3.1 R1#4.1 R1#5.1 R1#6.1 R1#7.1 R1#8.1 R1#9.1 R1#10.1 R1#11.1 R1#12.1 R1#13.1 R1#14.1 R1#15.1 R1#16.1 R1#17.1 R1#18.1 R1#19.1 R1#20.1 R1#21.1 R1#22.1 R1#23.1 R1#24.1
Net-(K3-Pad2): K3.2 K3#2.2 K3#3.2 K3#4.2 K3#5.2 K3#6.2 K3#7.2 K3#8.2 K3#9.2 K3#10.2 K3#11.2 K3#12.2 K3#13.2 K3#14.2 K3#15.2 K3#16.2 K3#17.2 K3#18.2 K3#19.2 K3#20.2 K3#21.2 K3#22.2 K3#23.2 K3#24.2 K5.2 K5#2.2 K5#3.2 K5#4.2 K5#5.2 K5#6.2 K5#7.2 K5#8.2 K5#9.2 K5#10.2 K5#11.2 K5#12.2 K5#13.2 K5#14.2 K5#15.2 K5#16.2 K5#17.2 K5#18.2 K5#19.2 K5#20.2 K5#21.2 K5#22.2 K5#23.2 K5#24.2 S2.2 S2#2.2 S2#3.2 S2#4.2 S2#5.2 S2#6.2 S2#7.2 S2#8.2 S2#9.2 S2#10.2 S2#11.2 S2#12.2 S2#13.2 S2#14.2 S2#15.2 S2#16.2 S2#17.2 S2#18.2 S2#19.2 S2#20.2 S2#21.2 S2#22.2 S2#23.2 S2#24.2
Net-(K4-Pad2): K4.2 K4#2.2 K4#3.2 K4#4.2 K4#5.2 K4#6.2 K4#7.2 K4#8.2 K4#9.2 K4#10.2 K4#11.2 K4#12.2 K4#13.2 K4#14.2 K4#15.2 K4#16.2 K4#17.2 K4#18.2 K4#19.2 K4#20.2 K4#21.2 K4#22.2 K4#23.2 K4#24.2 K6.2 K6#2.2 K6#3.2 K6#4.2 K6#5.2 K6#6.2 K6#7.2 K6#8.2 K6#9.2 K6#10.2 K6#11.2 K6#12.2 K6#13.2 K6#14.2 K6#15.2 K6#16.2 K6#17.2 K6#18.2 K6#19.2 K6#20.2 K6#21.2 K6#22.2 K6#23.2 K6#24.2 S3.2 S3#2.2 S3#3.2 S3#4.2 S3#5.2 S3#6.2 S3#7.2 S3#8.2 S3#9.2 S3#10.2 S3#11.2 S3#12.2 S3#13.2 S3#14.2 S3#15.2 S3#16.2 S3#17.2 S3#18.2 S3#19.2 S3#20.2 S3#21.2 S3#22.2 S3#23.2 S3#24.2

Pads without a net: FD1 1; FD1#2 1; FD1#3 1; FD1#4 1; FD1#5 1; FD1#6 1; FD1#7 1; FD1#8 1; FD1#9 1; FD1#10 1; FD1#11 1; FD1#12 1; FD1#13 1; FD1#14 1; FD1#15 1; FD1#16 1; FD1#17 1; FD1#18 1; FD1#19 1; FD1#20 1; FD1#21 1; FD1#22 1; FD1#23 1; FD1#24 1; FD1#25 1; FD1#26 1; FD1#27 1; FD1#28 1; K1 A6 A7 A8 B6 B7 B8; K1#2 A6 A7 A8 B6 B7 B8; K1#3 A6 A7 A8 B6 B7 B8; K1#4 A6 A7 A8 B6 B7 B8; K1#5 A6 A7 A8 B6 B7 B8; K1#6 A6 A7 A8 B6 B7 B8; K1#7 A6 A7 A8 B6 B7 B8; K1#8 A6 A7 A8 B6 B7 B8; K1#9 A6 A7 A8 B6 B7 B8; K1#10 A6 A7 A8 B6 B7 B8; K1#11 A6 A7 A8 B6 B7 B8; K1#12 A6 A7 A8 B6 B7 B8; K1#13 A6 A7 A8 B6 B7 B8; K1#14 A6 A7 A8 B6 B7 B8; K1#15 A6 A7 A8 B6 B7 B8; K1#16 A6 A7 A8 B6 B7 B8; K1#17 A6 A7 A8 B6 B7 B8; K1#18 A6 A7 A8 B6 B7 B8; K1#19 A6 A7 A8 B6 B7 B8; K1#20 A6 A7 A8 B6 B7 B8; K1#21 A6 A7 A8 B6 B7 B8; K1#22 A6 A7 A8 B6 B7 B8; K1#23 A6 A7 A8 B6 B7 B8; K1#24 A6 A7 A8 B6 B7 B8; K2 3; K2#2 3; K2#3 3; K2#4 3; K2#5 3; K2#6 3; K2#7 3; K2#8 3; K2#9 3; K2#10 3; K2#11 3; K2#12 3; K2#13 3; K2#14 3; K2#15 3; K2#16 3; K2#17 3; K2#18 3; K2#19 3; K2#20 3; K2#21 3; K2#22 3; K2#23 3; K2#24 3; S1 3 6; S1#2 3 6; S1#3 3 6; S1#4 3 6; S1#5 3 6; S1#6 3 6; S1#7 3 6; S1#8 3 6; S1#9 3 6; S1#10 3 6; S1#11 3 6; S1#12 3 6; S1#13 3 6; S1#14 3 6; S1#15 3 6; S1#16 3 6; S1#17 3 6; S1#18 3 6; S1#19 3 6; S1#20 3 6; S1#21 3 6; S1#22 3 6; S1#23 3 6; S1#24 3 6; U2 4; U2#2 4; U2#3 4; U2#4 4; U2#5 4; U2#6 4; U2#7 4; U2#8 4; U2#9 4; U2#10 4; U2#11 4; U2#12 4; U2#13 4; U2#14 4; U2#15 4; U2#16 4; U2#17 4; U2#18 4; U2#19 4; U2#20 4; U2#21 4; U2#22 4; U2#23 4; U2#24 4

## Via types
v1: diameter 0.5, hole 0.3, Top to Bottom, 1752 vias

## Routing (per net, layer and track width the routed paths; a pad name or vN(x,y) marks a point on that pad's centre or on a via; arc(x,y) is an arc through that point)
3V3: length 1992.5
  Top w0.3: JP1#9.1 v1(207.7,28.94) ; JP1.1 v1(207.7,88.42) ; JP1#18.1 v1(207.7,118.16) ; JP1#20.1 v1(153.5,28.94) ; JP1#2.1 v1(99.3,147.9) ; JP1#13.1 v1(207.7,147.9) ; JP1#14.1 v1(153.5,58.68) ; JP1#16.1 v1(99.3,118.16) ; JP1#22.1 v1(45.1,28.94) ; JP1#10.1 v1(45.1,177.64) ; JP1#8.1 v1(207.7,177.64) ; JP1#17.1 v1(153.5,177.64) ; JP1#3.1 v1(45.1,58.68) ; JP1#19.1 v1(45.1,88.42) ; JP1#24.1 v1(45.1,147.9) ; JP1#4.1 v1(99.3,58.68) ; JP1#5.1 v1(99.3,28.94) ; JP1#21.1 v1(99.3,177.64) ; JP1#12.1 v1(153.5,118.16) ; JP1#11.1 v1(207.7,58.68) ; JP1#15.1 v1(99.3,88.42) ; JP1#7.1 v1(153.5,88.42) ; JP1#23.1 v1(45.1,118.16) ; JP1#6.1 v1(153.5,147.9)
  Top w0.6: 166.7,49.03 166.75,49.08 v1(170.6,49.08) v1(169.2,49.08) ; 4.1,19.29 4.15,19.34 v1(8,19.34) v1(6.6,19.34) ; 91.25,78.82 91.25,80.1 91.47,80.32 91.47,81.85 92.14,82.52 v1(93.6,82.52) v1(95.5,82.52) 99.1,78.92 103.92,78.92 104.07,78.76 104.1,78.76 ; v1(115,78.82) v1(116.4,78.82) 112.55,78.82 112.5,78.77 ; 158.31,19.28 158.28,19.28 158.12,19.44 153.3,19.44 v1(149.7,23.04) v1(147.8,23.04) 146.34,23.04 145.67,22.37 145.67,20.84 145.45,20.62 145.45,19.34 ; 4.1,108.51 4.15,108.56 v1(8,108.56) v1(6.6,108.56) ; 145.45,138.3 145.45,139.58 145.67,139.8 145.67,141.33 146.34,142 v1(147.8,142) v1(149.7,142) 153.3,138.4 158.12,138.4 158.28,138.25 158.31,138.25 ; v1(169.2,19.34) v1(170.6,19.34) 166.75,19.34 166.7,19.29 ; 49.91,138.25 49.88,138.25 49.72,138.4 44.9,138.4 v1(41.3,142) v1(39.4,142) 37.94,142 37.27,141.33 37.27,139.8 37.05,139.58 37.05,138.3 ; 112.5,49.03 112.55,49.08 v1(116.4,49.08) v1(115,49.08) ; v1(60.8,108.56) v1(62.2,108.56) 58.35,108.56 58.3,108.51 ; 212.5,49.03 212.48,49.03 212.32,49.18 207.5,49.18 v1(203.9,52.78) v1(202,52.78) 200.54,52.78 199.87,52.11 199.87,50.58 199.65,50.36 199.65,49.08 ; 199.65,168.04 199.65,169.32 199.87,169.54 199.87,171.07 200.54,171.74 v1(202,171.74) v1(203.9,171.74) 207.5,168.14 212.32,168.14 212.48,167.99 212.5,167.99 ; v1(6.6,138.3) v1(8,138.3) 4.15,138.3 4.1,138.25 ; 212.5,19.28 212.48,19.28 212.32,19.44 207.5,19.44 v1(203.9,23.04) v1(202,23.04) 200.54,23.04 199.87,22.37 199.87,20.84 199.65,20.62 199.65,19.34 ; 49.91,78.76 49.88,78.76 49.72,78.92 44.9,78.92 v1(41.3,82.52) v1(39.4,82.52) 37.94,82.52 37.27,81.85 37.27,80.32 37.05,80.1 37.05,78.82 ; 37.05,19.34 37.05,20.62 37.27,20.84 37.27,22.37 37.94,23.04 v1(39.4,23.04) v1(41.3,23.04) 44.9,19.44 49.72,19.44 49.88,19.28 49.91,19.28 ; v1(115,108.56) v1(116.4,108.56) 112.55,108.56 112.5,108.51 ; 166.7,138.25 166.75,138.3 v1(170.6,138.3) v1(169.2,138.3) ; 145.45,108.56 145.45,109.84 145.67,110.06 145.67,111.59 146.34,112.26 v1(147.8,112.26) v1(149.7,112.26) 153.3,108.66 158.12,108.66 158.28,108.5 158.31,108.5 ; 199.65,138.3 199.65,139.58 199.87,139.8 199.87,141.33 200.54,142 v1(202,142) v1(203.9,142) 207.5,138.4 212.32,138.4 212.48,138.25 212.5,138.25 ; 58.3,167.99 58.35,168.04 v1(62.2,168.04) v1(60.8,168.04) ; v1(60.8,19.34) v1(62.2,19.34) 58.35,19.34 58.3,19.29 ; 104.1,167.99 104.07,167.99 103.92,168.14 99.1,168.14 v1(95.5,171.74) v1(93.6,171.74) 92.14,171.74 91.47,171.07 91.47,169.54 91.25,169.32 91.25,168.04 ; 166.7,108.51 166.75,108.56 v1(170.6,108.56) v1(169.2,108.56) ; 158.31,167.99 158.28,167.99 158.12,168.14 153.3,168.14 v1(149.7,171.74) v1(147.8,171.74) 146.34,171.74 145.67,171.07 145.67,169.54 145.45,169.32 145.45,168.04 ; 4.1,49.03 4.15,49.08 v1(8,49.08) v1(6.6,49.08) ; 49.91,108.5 49.88,108.5 49.72,108.66 44.9,108.66 v1(41.3,112.26) v1(39.4,112.26) 37.94,112.26 37.27,111.59 37.27,110.06 37.05,109.84 37.05,108.56 ; v1(60.8,49.08) v1(62.2,49.08) 58.35,49.08 58.3,49.03 ; 199.65,108.56 199.65,109.84 199.87,110.06 199.87,111.59 200.54,112.26 v1(202,112.26) v1(203.9,112.26) 207.5,108.66 212.32,108.66 212.48,108.5 212.5,108.5 ; v1(6.6,168.04) v1(8,168.04) 4.15,168.04 4.1,167.99 ; 4.1,78.77 4.15,78.82 v1(8,78.82) v1(6.6,78.82) ; 37.05,49.08 37.05,50.36 37.27,50.58 37.27,52.11 37.94,52.78 v1(39.4,52.78) v1(41.3,52.78) 44.9,49.18 49.72,49.18 49.88,49.03 49.91,49.03 ; 158.31,49.03 158.28,49.03 158.12,49.18 153.3,49.18 v1(149.7,52.78) v1(147.8,52.78) 146.34,52.78 145.67,52.11 145.67,50.58 145.45,50.36 145.45,49.08 ; 49.91,167.99 49.88,167.99 49.72,168.14 44.9,168.14 v1(41.3,171.74) v1(39.4,171.74) 37.94,171.74 37.27,171.07 37.27,169.54 37.05,169.32 37.05,168.04 ; 166.7,78.77 166.75,78.82 v1(170.6,78.82) v1(169.2,78.82) ; v1(115,19.34) v1(116.4,19.34) 112.55,19.34 112.5,19.29 ; v1(60.8,78.82) v1(62.2,78.82) 58.35,78.82 58.3,78.77 ; 91.25,49.08 91.25,50.36 91.47,50.58 91.47,52.11 92.14,52.78 v1(93.6,52.78) v1(95.5,52.78) 99.1,49.18 103.92,49.18 104.07,49.03 104.1,49.03 ; 212.5,78.76 212.48,78.76 212.32,78.92 207.5,78.92 v1(203.9,82.52) v1(202,82.52) 200.54,82.52 199.87,81.85 199.87,80.32 199.65,80.1 199.65,78.82 ; v1(169.2,168.04) v1(170.6,168.04) 166.75,168.04 166.7,167.99 ; v1(115,138.3) v1(116.4,138.3) 112.55,138.3 112.5,138.25 ; 91.25,108.56 91.25,109.84 91.47,110.06 91.47,111.59 92.14,112.26 v1(93.6,112.26) v1(95.5,112.26) 99.1,108.66 103.92,108.66 104.07,108.5 104.1,108.5 ; 91.25,19.34 91.25,20.62 91.47,20.84 91.47,22.37 92.14,23.04 v1(93.6,23.04) v1(95.5,23.04) 99.1,19.44 103.92,19.44 104.07,19.28 104.1,19.28 ; 91.25,138.3 91.25,139.58 91.47,139.8 91.47,141.33 92.14,142 v1(93.6,142) v1(95.5,142) 99.1,138.4 103.92,138.4 104.07,138.25 104.1,138.25 ; v1(115,168.04) v1(116.4,168.04) 112.55,168.04 112.5,167.99 ; v1(60.8,138.3) v1(62.2,138.3) 58.35,138.3 58.3,138.25 ; 158.31,78.76 158.28,78.76 158.12,78.92 153.3,78.92 v1(149.7,82.52) v1(147.8,82.52) 146.34,82.52 145.67,81.85 145.67,80.32 145.45,80.1 145.45,78.82